# Altium PCB LC - Communication Board.PcbDoc
Units mm, origin at the board's own origin, x right, y up, seen from the top; angles counter-clockwise.
Board outline 67.99 x 30 mm, 2 copper layers (Top Layer, Bottom Layer); 6 components, 23 nets, 66 pads, 6 vias.
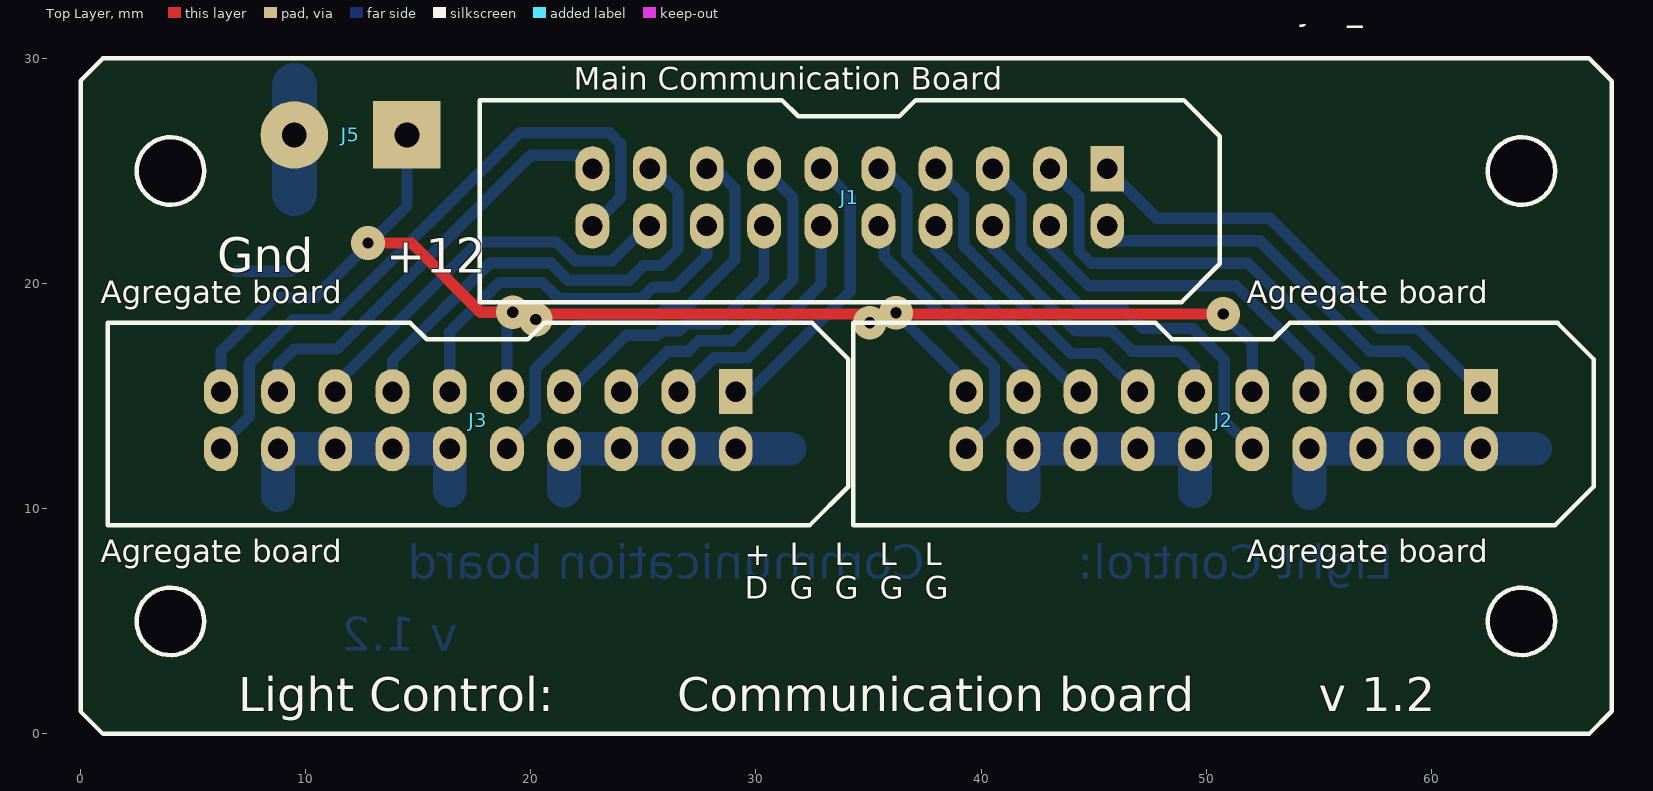
[diagram p0: Top Layer view]
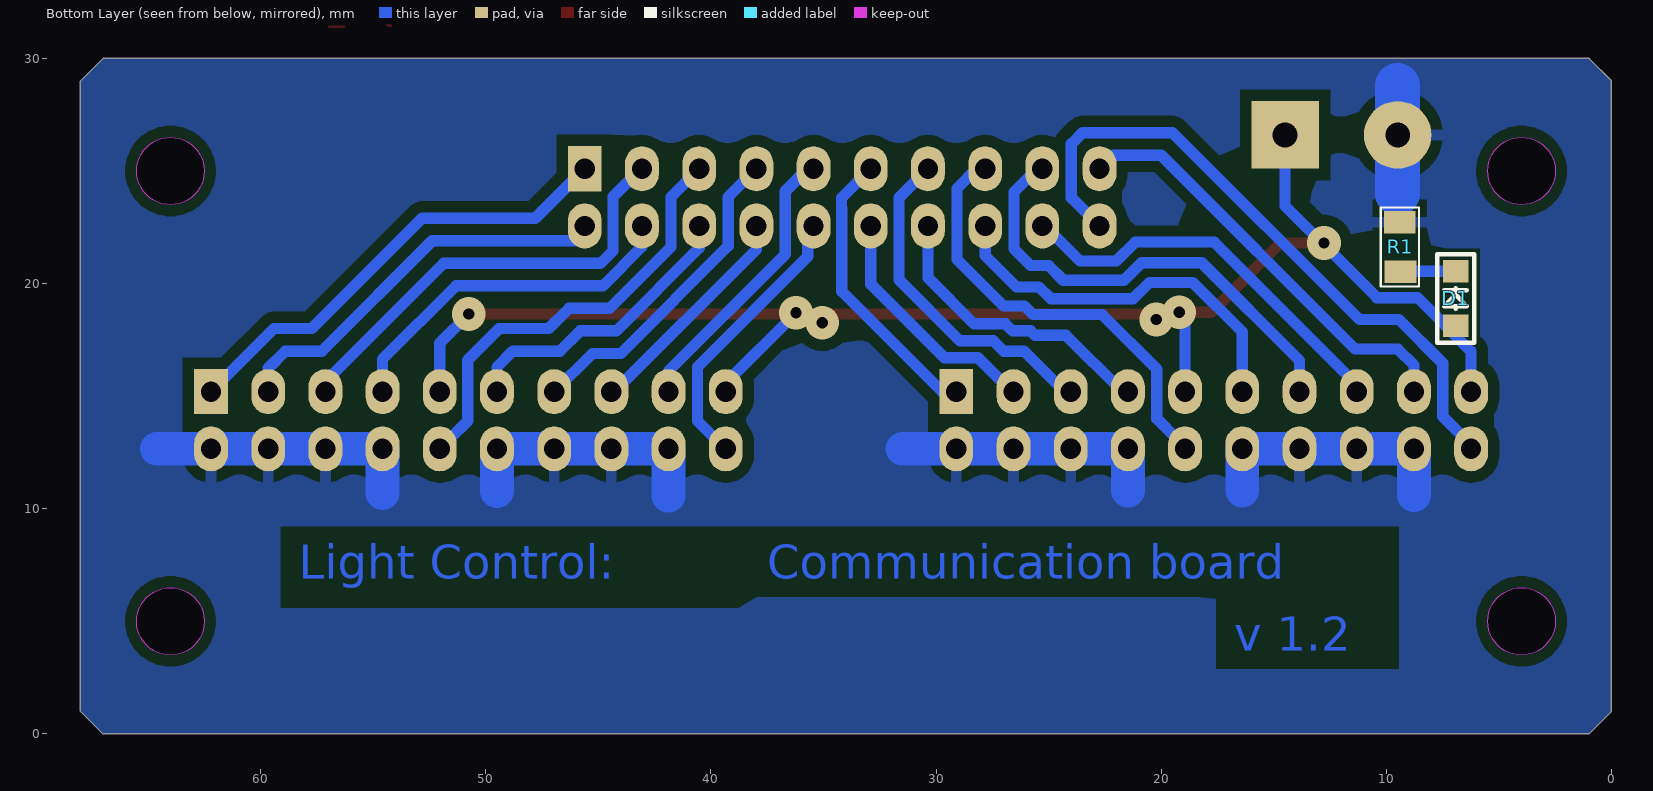
[diagram p1: Bottom Layer view, seen from below]
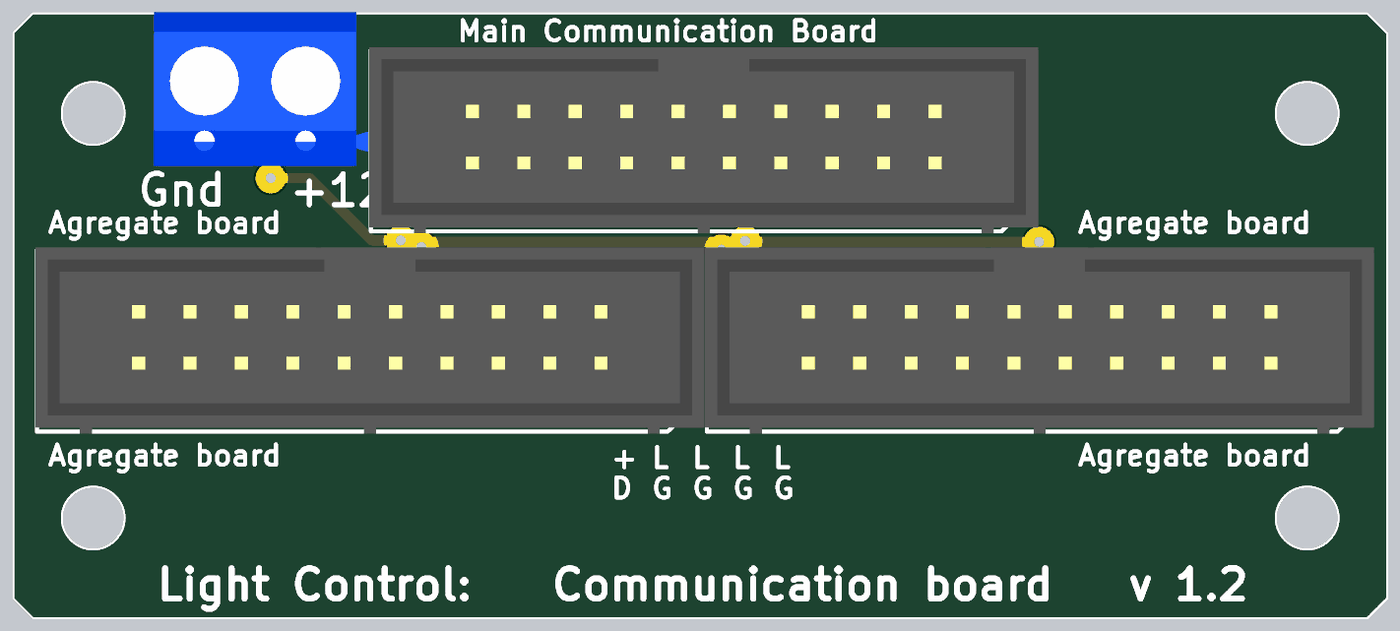
[diagram p2: 3D render of the assembled board from above, using the file's embedded part models]

## Layer stack, top to bottom
Top Solder: solder mask 0.0102, Solder Resist, Dk 3.5
Top Layer: signal copper 0.0356
Dielectric 1: dielectric 0.32, FR-4, Dk 4.8
Bottom Layer: signal copper 0.0356
Bottom Solder: solder mask 0.0102, Solder Resist, Dk 3.5

## Board outline
0.006,0.998 0.006,29.006 1,30 66.994,30 68,28.994 68,1 66.998,-0.002 1.006,-0.002
cut-out: 2.5,5 ccw(c4,5) 4,3.5 ccw(c4,5) 5.5,5 ccw(c4,5) 4,6.5 ccw(c4,5)
cut-out: 2.5,25 ccw(c4,25) 4,23.5 ccw(c4,25) 5.5,25 ccw(c4,25) 4,26.5 ccw(c4,25)
cut-out: 62.5,25 ccw(c64,25) 64,23.5 ccw(c64,25) 65.5,25 ccw(c64,25) 64,26.5 ccw(c64,25)
cut-out: 62.5,5 ccw(c64,5) 64,3.5 ccw(c64,5) 65.5,5 ccw(c64,5) 64,6.5 ccw(c64,5)

## Design rules (kind name [scope] priority, off if disabled: settings)
Clearance Polygon [InPolygon] p1: gap=0.5 ignorepadtopadclearanceinfootprint=FALSE except(0: Arc-Hole Track-Hole SMDPad-Hole THPad-Hole Via-Hole Fill-Hole Poly-Hole Region-Hole Text-Hole)
Clearance [All] p2: gap=0.2 ignorepadtopadclearanceinfootprint=FALSE except(0: Arc-Hole Track-Hole SMDPad-Hole THPad-Hole Via-Hole Fill-Hole Poly-Hole Region-Hole Text-Hole)
ComponentClearance [All] p1: gap=0.01 collisioncheckmode=3 verticalgap=0.2 showdistances=FALSE
Height [All] p1: minheight=0 maxheight=25 prefheight=12.7
HoleSize [All] p1: absolutevalues=TRUE maxlimit=3.2 minlimit=0.4 maxpercent=80.000 minpercent=20.000
HoleToHoleClearance [All] p1: gap=0.2 allowstackedmicrovias=TRUE
PlaneClearance [All] p1: clearance=0.5
PlaneConnect [All] p1: planeconnectstyle=Relief reliefexpansion=0.508 reliefentries=4 reliefconductorwidth=0.5 reliefairgap=0.5
PolygonConnect [All] p1: connectstyle=Relief reliefconductorwidth=0.5 reliefentries=4 polygonreliefangle="90 Angle" airgapwidth=0.5
RoutingVias [All] p1: holewidth=0.7 width=1.5 viastyle="Through Hole" minholewidth=0.4 minwidth=0.4 maxholewidth=3.2 maxwidth=7
SilkToSilkClearance [All] p1: silktosilkclearance=0.05
SilkToSolderMaskClearance [IsPad] p1: minsilkscreentomaskgap=0.2 clearancetoexposedcopper=TRUE
SolderMaskExpansion [All] p1: expansion=0.1
Width [All] p1: maxlimit=3 minlimit=0.2 preferedwidth=0.5
22 further rules are at their usual default settings.

## Components (designator, comment, footprint, x,y, rotation, side; value= is the part's Value field where it differs from the comment)
D1 "Green" "LED SMD 0805 Green" 6.925,18.125 r90 bottom
J1 "Connector" "LINE 2.54 x 20D (2 x 10) - BH" 45.6,25.1 r270 top
J2 "Connector" "LINE 2.54 x 20D (2 x 10) - BH" 62.2,15.2 r270 top
J3 "Connector" "LINE 2.54 x 20D (2 x 10) - BH" 29.1,15.2 r270 top
J5 "Connector" "DG301 5mm 2p" 14.5,26.6 r180 top
R1 "1kOm" "SMD 0805 (2012)" 9.375,20.6 r90 bottom

## Footprints (in the part's own frame and the unit in brackets; to place one, negate y for a bottom-side part, rotate by r counter-clockwise, add the part's x,y. Pads: shape width x height; smd on the part's side, far side on the other; paste and mask are expansions set on the pad)
"DG301 5mm 2p" [mm]
  rect 3x3 hole 1.1: 1(0,0)
  round 3 hole 1.1: 2(5,0)
  body extent -3.1,-3.4 7.5,4.2, height 10
"LED SMD 0805 Green" [mm]
  rect 1x1.143 smd: A(0,0) K(2.425,0)
  silkscreen extent -0.75,-0.82 3.17,0.83, body extent 0.22,-0.62 2.24,0.63, height 1.1
"LINE 2.54 x 20D (2 x 10) - BH" [mm]
  rect 2x1.5 hole 0.9: 1(0,0)
  oval 2x1.5 hole 0.9: 2(2.54,0) 3(0,-2.54) 4(2.54,-2.54) 5(0,-5.08) 6(2.54,-5.08) 7(0,-7.62) 8(2.54,-7.62) 9(0,-10.16) 10(2.54,-10.16) 11(0,-12.7) 12(2.54,-12.7) 13(0,-15.24) 14(2.54,-15.24) 15(0,-17.78) 16(2.54,-17.78) 17(0,-20.32) 18(2.54,-20.32) 19(0,-22.86) 20(2.54,-22.86)
  silkscreen extent -3.05,-27.87 5.92,5, body extent -3.18,-27.95 6.02,5.1, height 8.84
"SMD 0805 (2012)" [mm]
  rect 1x1.4 smd: 1(-0.075,0) 2(2.125,0.025)
  silkscreen extent -0.72,-0.82 2.78,0.87, body extent 0.03,-0.6 2.03,0.65, height 0.45

## Part data
D1: library part "Led SMD Green", "?2v ?20mA"
J1 J2 J3: library part "PLD-20 (2 x 10)", "Vert, Dbl line, Male"
J5: library part DG301-5.0-2P12, "DG301 series"
R1: library part "Res SMD 0805"

## Via types
v1: diameter 1.5, hole 0.5, Top Layer to Bottom Layer, 6 vias

## Nets (pads, with @x,y where several pads share a name; then routed paths per layer and width w, separated by ;. In a path a pad name is that pad's centre, name@x,y a point inside that pad or via, vN(x,y) a via of type N, cw(c..) or ccw(c..) an arc to the next point about the centre after c; other vN are vias at no path point)
"DATA 1": J1.5 J2.10 | length 18.9
  Bottom Layer w0.5: J1.5 41.774,23.846 41.774,21.626 44.5,18.9 46.3,18.9 47.2,18 49.4,18 50.8,16.6 50.8,13.9 J2.10@51.6,13.1
"DATA 2": J1.10 J2.20 | length 11.6
  Bottom Layer w0.5: J1.10@35.7,22.3 35.7,21.2 40.6,16.3 40.6,13.9 J2.20@39.8,13.1
"DATA 3": J1.15 J3.10 | length 18.8
  Bottom Layer w0.5: J3.10@19.3,13.1 20.2,14 20.2,16.2 22.625,18.625 25.7,18.625 26.075,19 27,19 29.074,21.074 29.074,24.226 J1.15@28.2,25.1
"DATA 4": J1.20 J3.20 | length 28.7
  Bottom Layer w0.5: J3.20@6.6,13.2 7.5,14.1 7.5,16.46 9.44,18.4 11.2,18.4 19.5,26.7 23.5,26.7 23.994,26.206 23.994,23.814 J1.20
"EC 1": J1.1 J2.1 | length 20.7
  Bottom Layer w0.5: J1.1 47.8,22.9 52.825,22.9 57.725,18 59.4,18 J2.1
"EC 2": J1.2 J2.3 | length 17.9
  Bottom Layer w0.5: J1.2 45.6,22.2 45.9,21.9 52.375,21.9 57.275,17 58.9,17 59.66,16.24 J2.3
"EC 3": J1.3 J2.5 | length 19.8
  Bottom Layer w0.5: J1.3 43.1,25.1 44.346,23.854 44.346,21.454 44.9,20.9 51.875,20.9 57.12,15.655 J2.5
"EC 4": J1.4 J2.7 | length 16
  Bottom Layer w0.5: J1.4 43.06,21.64 44.8,19.9 51.325,19.9 54.58,16.645 J2.7
"EC 6": J1.6 J2.11 | length 13.2
  Bottom Layer w0.5: J1.6 40.52,21.58 44.2,17.9 45.8,17.9 46.7,17 48.8,17 49.5,16.3 J2.11
"EC 7": J1.7 J2.13 | length 14.4
  Bottom Layer w0.5: J1.7 39.234,23.846 39.234,21.666 44,16.9 45.26,16.9 J2.13
"EC 8": J1.8 J2.15 | length 10.1
  Bottom Layer w0.5: J1.8 37.98,21.52 J2.15@44.36,15.14
"EC 9": J1.9 J2.17 | length 12.7
  Bottom Layer w0.5: J1.9 35.7,25.1 36.7,24.1 36.7,21.3 41.88,16.12 J2.17
"EC 11": J1.11 J3.1 | length 12.9
  Bottom Layer w0.5: J3.1 29.738,15.2 34.186,19.648 34.186,23.329 34.2,23.343 34.2,23.8 J1.11
"EC 12": J1.12 J3.3 | length 10.9
  Bottom Layer w0.5: J3.3 26.637,15.2 28.141,16.704 29.629,16.704 32.9,19.975 J1.12
"EC 13": J1.13 J3.5 | length 15.1
  Bottom Layer w0.5: J3.5 24.3,15.2 26.1,17 27,17 27.458,17.458 28.933,17.458 31.646,20.171 31.646,23.814 J1.13
"EC 14": J1.14 J3.7 | length 13.3
  Bottom Layer w0.5: J3.7 21.727,15.2 24.227,17.7 25.6,17.7 25.8,17.9 26.6,17.9 26.912,18.212 28.312,18.212 30.36,20.26 J1.14
"EC 16": J1.16 J3.11 | length 17.4
  Bottom Layer w0.5: J3.11 16.4,17.85 18.6,20.05 20.525,20.05 21.25,19.325 24.9,19.325 25.425,19.85 26.425,19.85 27.82,21.245 J1.16
"EC 17": J1.17 J3.13 | length 21
  Bottom Layer w0.5: J3.13 13.86,16.585 18.2,20.925 20.875,20.925 21.65,20.15 24.35,20.15 25,20.8 25.8,20.8 26.534,21.534 26.534,24.066 25.5,25.1 J1.17
"EC 18": J1.18 J3.15 | length 17.9
  Bottom Layer w0.5: J3.15 11.32,15.52 17.65,21.85 21.15,21.85 22,21 23.6,21 25.16,22.56 J1.18
"EC 19": J1.19 J3.17 | length 19.2
  Bottom Layer w0.5: J3.17 8.78,16.38 9.5,17.1 11.4,17.1 20,25.7 22.14,25.7 J1.19
GND: J2.2 J2.4 J2.6 J2.8 J2.12 J2.14 J2.16 J2.18 J3.2 J3.4 J3.6 J3.8 J3.12 J3.14 J3.16 J3.18 J5.2 R1.2 | length 51.8
  Bottom Layer w1.5: 8.78,10.595 J3.18 J3.16 J3.14 J3.12 16.4,10.8 ; 21.48,10.805 J3.8 J3.6 J3.4 J3.2 31.49,12.66 ; 41.88,10.58 J2.18 J2.16 J2.14 J2.12 49.5,10.775 ; 54.58,10.705 J2.8 J2.6 J2.4 J2.2 64.6,12.66
  Bottom Layer w2: 9.5,24 J5.2 9.5,28.8
NetD1_K: D1.K R1.1 | length 2.4
  Bottom Layer w0.5: D1.K R1.1@9.35,20.55
VCC: D1.A J2.9 J2.19 J3.9 J3.19 J5.1 | length 66.7
  Top Layer w0.5: v1(12.775,21.8) 14.7,21.8 17.775,18.725 v1(19.2,18.725) ; v1@20.1,18.65 v1(50.75,18.65)
  Bottom Layer w0.5: J3.19 6.24,16.99 8.625,19.375 10.425,19.375 14.5,23.45 J5.1 ; J3.9@19,15.26 J3.9 18.94,18.465 v1(19.2,18.725) ; v1(36.225,18.7) 39.34,15.585 J2.19 ; v1(50.75,18.65) 52.04,17.36 J2.9
  other v1: 35.054,18.263 20.225,18.4

## Polygon pours and split planes (outlines as drawn)
GND on Bottom Layer "Top Layer-No Net" (solid, pour order 6): 68,0 68,30 0.006,30 0.006,0 68,0

## Other copper
Top Layer:
  text ".Layer_Name" at 51.975,31.7 h1
Bottom Layer:
  pour cut-out: 1,30 0.006,29.006 0.006,29.994 0,30
  pour cut-out: 0.006,0.998 0.006,0 1.004,0
  pour cut-out: 66.998,-0.002 67.998,-0.002 68,0 68,1
  pour cut-out: 68,29.006 68,30 66.994,30
  text ".Layer_Name" at 15,32 h1
  text "Communication board" at 37.5,6.9 h1.5
  text "Light Control:" at 58.3,6.9 h1.5
  text "v 1.2" at 16.75,3.7 h1.5

## Silkscreen, mask and mechanical layers (free items; w line width, h text height)
Top Overlay:
  circle w0.2: c64,25 r1.5
  circle w0.2: c64,5 r1.5
  circle w0.2: c4,5 r1.5
  circle w0.2: c4,25 r1.5
  lines w0.2: 0.006,0.998 0.006,29.006 1,30 66.994,30 68,28.994 68,1 66.998,-0.002 1.006,-0.002 0.006,0.998
  text ".Layer_Name" at 51.975,31.7 h1
  text "Main Communication Board" at 21.9,28.6 h1
  text "Gnd" at 6.075,20.5 h1.52
  text "+12" at 13.575,20.475 h1.52
  text "Agregate board" at 0.9,19.125 h1
  text "Agregate board" at 51.8,19.125 h1
  text "Agregate board" at 0.9,7.625 h1
  text "Agregate board" at 51.8,7.625 h1
  text "+" at 29.5,7.5 h1
  text "L" at 31.5,7.5 h1
  text "L" at 33.5,7.5 h1
  text "L" at 35.5,7.5 h1
  text "L" at 37.5,7.5 h1
  text "D" at 29.5,6 h1
  text "G" at 31.5,6 h1
  text "G" at 33.5,6 h1
  text "G" at 35.5,6 h1
  text "G" at 37.5,6 h1
  text "Light Control:" at 7,1 h1.5
  text "Communication board" at 26.5,1 h1.5
  text "v 1.2" at 55,1 h1.5
Bottom Overlay:
  text ".Layer_Name" at 15,32 h1
Top Solder:
  text ".Layer_Name" at 51.975,31.7 h1
Bottom Solder:
  text ".Layer_Name" at 15,32 h1
Mechanical 2:
  text "68 x 30 mm" at 1,35.25 h1
  text "v 1.2" at 50.3,34.5 h1.5
  text "Light Control: Communication board" at 0.975,33.475 h1
  text ".Pcb_File_Name_No_Path" at 0.925,31.425 h1
Mechanical 3:
  text "68 x 30 mm" at 67,35.25 h1
  text "v 1.2" at 17.65,34.5 h1.5
  text "Light Control: Communication board" at 66.975,33.475 h1
  text ".Pcb_File_Name_No_Path" at 66.925,31.425 h1

## Dimensions
0,0 to 68,0 on Mechanical 3
0,30 to 0,0 on Mechanical 3
0,30 to 0,0 on Mechanical 2
0,0 to 68,0 on Mechanical 2